# Altium PCB STB_LightBoard.PcbDoc (part 18 of 31) (continued)
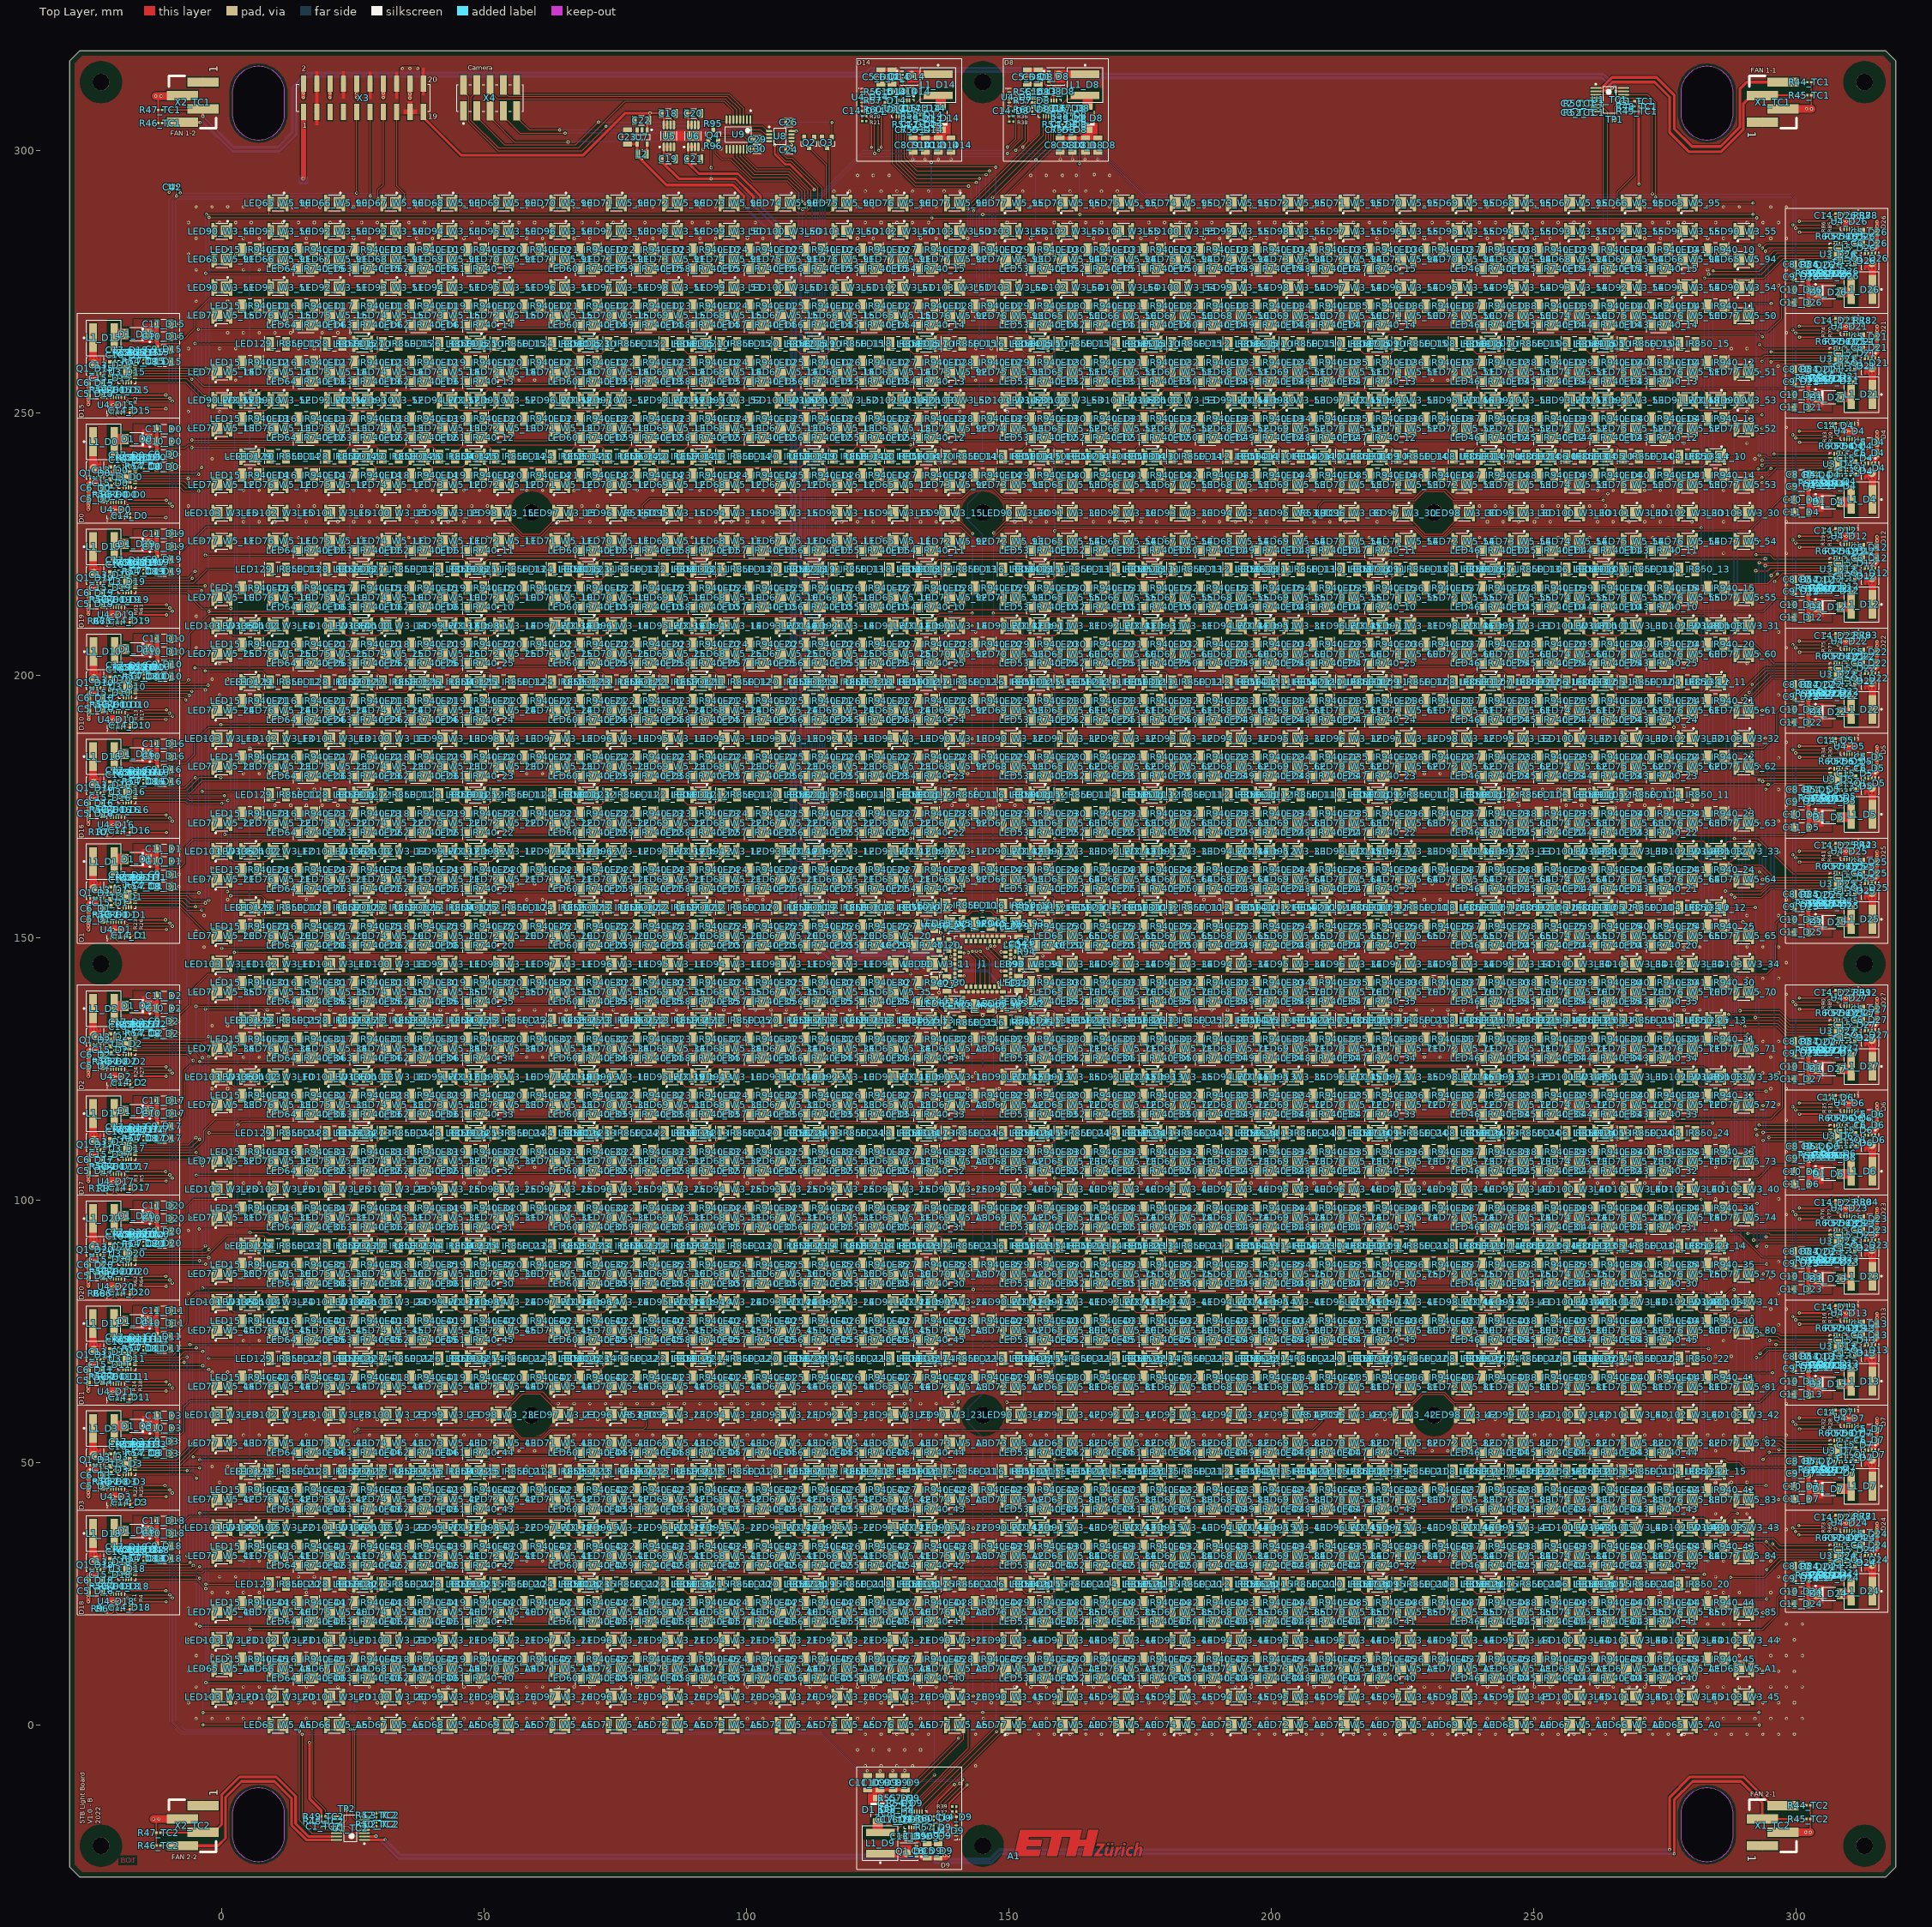
[diagram p0: Top Layer view]
## Nets (pads, with @x,y where several pads share a name; then routed paths per layer and width w, separated by ;. In a path a pad name is that pad's centre, name@x,y a point inside that pad or via, vN(x,y) a via of type N, cw(c..) or ccw(c..) an arc to the next point about the centre after c; other vN are vias at no path point) (continued)
  Top Layer w0.2: LED15_IR940_41.1@6.87,66.246 7.404,66.78 14.077,66.78 LED16_IR940_41.2@14.611,66.246
NetLED15_IR940_42_1: LED15_IR940_42.1 LED16_IR940_42.2 | length 8.2
  Top Layer w0.2: LED15_IR940_42.1@6.87,44.764 7.404,45.298 14.077,45.298 LED16_IR940_42.2@14.611,44.764
NetLED15_IR940_43_1: LED15_IR940_43.1 LED16_IR940_43.2 | length 8.2
  Top Layer w0.2: LED15_IR940_43.1@6.87,34.023 7.404,34.557 14.077,34.557 LED16_IR940_43.2@14.611,34.023
NetLED15_IR940_44_1: LED15_IR940_44.1 LED16_IR940_44.2 | length 8.2
  Top Layer w0.2: LED15_IR940_44.1@6.87,23.282 7.404,23.816 14.077,23.816 LED16_IR940_44.2@14.611,23.282
NetLED15_IR940_45_1: LED15_IR940_45.1 LED16_IR940_45.2 | length 8.2
  Top Layer w0.2: LED15_IR940_45.1@6.87,12.541 7.404,13.075 14.077,13.075 LED16_IR940_45.2@14.611,12.541
NetLED16_IR940_10_1: LED16_IR940_10.1 LED17_IR940_10.2 | length 8.2
  Top Layer w0.2: LED16_IR940_10.1@17.611,281.066 18.145,281.6 24.818,281.6 LED17_IR940_10.2@25.352,281.066
NetLED16_IR940_11_1: LED16_IR940_11.1 LED17_IR940_11.2 | length 8.2
  Top Layer w0.2: LED16_IR940_11.1@17.611,270.325 18.145,270.859 24.818,270.859 LED17_IR940_11.2@25.352,270.325
NetLED16_IR940_12_1: LED16_IR940_12.1 LED17_IR940_12.2 | length 8.2
  Top Layer w0.2: LED16_IR940_12.1@17.611,259.584 18.145,260.118 24.818,260.118 LED17_IR940_12.2@25.352,259.584
NetLED16_IR940_13_1: LED16_IR940_13.1 LED17_IR940_13.2 | length 8.2
  Top Layer w0.2: LED16_IR940_13.1@17.611,248.843 18.145,249.377 24.818,249.377 LED17_IR940_13.2@25.352,248.843
NetLED16_IR940_14_1: LED16_IR940_14.1 LED17_IR940_14.2 | length 8.2
  Top Layer w0.2: LED16_IR940_14.1@17.611,238.102 18.145,238.636 24.818,238.636 LED17_IR940_14.2@25.352,238.102
NetLED16_IR940_15_1: LED16_IR940_15.1 LED17_IR940_15.2 | length 8.2
  Top Layer w0.2: LED16_IR940_15.1@17.611,216.62 18.145,217.154 24.818,217.154 LED17_IR940_15.2@25.352,216.62
NetLED16_IR940_20_1: LED16_IR940_20.1 LED17_IR940_20.2 | length 8.2
  Top Layer w0.2: LED16_IR940_20.1@17.611,205.879 18.145,206.413 24.818,206.413 LED17_IR940_20.2@25.352,205.879
NetLED16_IR940_21_1: LED16_IR940_21.1 LED17_IR940_21.2 | length 8.2
  Top Layer w0.2: LED16_IR940_21.1@17.611,195.138 18.145,195.672 24.818,195.672 LED17_IR940_21.2@25.352,195.138
NetLED16_IR940_22_1: LED16_IR940_22.1 LED17_IR940_22.2 | length 8.2
  Top Layer w0.2: LED16_IR940_22.1@17.611,184.397 18.145,184.931 24.818,184.931 LED17_IR940_22.2@25.352,184.397
NetLED16_IR940_23_1: LED16_IR940_23.1 LED17_IR940_23.2 | length 8.2
  Top Layer w0.2: LED16_IR940_23.1@17.611,173.656 18.145,174.19 24.818,174.19 LED17_IR940_23.2@25.352,173.656
NetLED16_IR940_24_1: LED16_IR940_24.1 LED17_IR940_24.2 | length 8.2
  Top Layer w0.2: LED16_IR940_24.1@17.611,162.915 18.145,163.449 24.818,163.449 LED17_IR940_24.2@25.352,162.915
NetLED16_IR940_25_1: LED16_IR940_25.1 LED17_IR940_25.2 | length 8.2
  Top Layer w0.2: LED16_IR940_25.1@17.611,152.174 18.145,152.708 24.818,152.708 LED17_IR940_25.2@25.352,152.174
NetLED16_IR940_30_1: LED16_IR940_30.1 LED17_IR940_30.2 | length 8.2
  Top Layer w0.2: LED16_IR940_30.1@17.611,141.433 18.145,141.967 24.818,141.967 LED17_IR940_30.2@25.352,141.433
NetLED16_IR940_31_1: LED16_IR940_31.1 LED17_IR940_31.2 | length 8.2
  Top Layer w0.2: LED16_IR940_31.1@17.611,130.692 18.145,131.226 24.818,131.226 LED17_IR940_31.2@25.352,130.692
NetLED16_IR940_32_1: LED16_IR940_32.1 LED17_IR940_32.2 | length 8.2
  Top Layer w0.2: LED16_IR940_32.1@17.611,119.951 18.145,120.485 24.818,120.485 LED17_IR940_32.2@25.352,119.951
NetLED16_IR940_33_1: LED16_IR940_33.1 LED17_IR940_33.2 | length 8.2
  Top Layer w0.2: LED16_IR940_33.1@17.611,109.21 18.145,109.744 24.818,109.744 LED17_IR940_33.2@25.352,109.21
NetLED16_IR940_34_1: LED16_IR940_34.1 LED17_IR940_34.2 | length 8.2
  Top Layer w0.2: LED16_IR940_34.1@17.611,98.469 18.145,99.003 24.818,99.003 LED17_IR940_34.2@25.352,98.469
NetLED16_IR940_35_1: LED16_IR940_35.1 LED17_IR940_35.2 | length 8.2
  Top Layer w0.2: LED16_IR940_35.1@17.611,87.728 18.145,88.262 24.818,88.262 LED17_IR940_35.2@25.352,87.728
NetLED16_IR940_40_1: LED16_IR940_40.1 LED17_IR940_40.2 | length 8.2
  Top Layer w0.2: LED16_IR940_40.1@17.611,76.987 18.145,77.521 24.818,77.521 LED17_IR940_40.2@25.352,76.987
NetLED16_IR940_41_1: LED16_IR940_41.1 LED17_IR940_41.2 | length 8.2
  Top Layer w0.2: LED16_IR940_41.1@17.611,66.246 18.145,66.78 24.818,66.78 LED17_IR940_41.2@25.352,66.246
NetLED16_IR940_42_1: LED16_IR940_42.1 LED17_IR940_42.2 | length 8.2
  Top Layer w0.2: LED16_IR940_42.1@17.611,44.764 18.145,45.298 24.818,45.298 LED17_IR940_42.2@25.352,44.764
NetLED16_IR940_43_1: LED16_IR940_43.1 LED17_IR940_43.2 | length 8.2
  Top Layer w0.2: LED16_IR940_43.1@17.611,34.023 18.145,34.557 24.818,34.557 LED17_IR940_43.2@25.352,34.023
NetLED16_IR940_44_1: LED16_IR940_44.1 LED17_IR940_44.2 | length 8.2
  Top Layer w0.2: LED16_IR940_44.1@17.611,23.282 18.145,23.816 24.818,23.816 LED17_IR940_44.2@25.352,23.282
NetLED16_IR940_45_1: LED16_IR940_45.1 LED17_IR940_45.2 | length 8.2
  Top Layer w0.2: LED16_IR940_45.1@17.611,12.541 18.145,13.075 24.818,13.075 LED17_IR940_45.2@25.352,12.541
NetLED17_IR940_10_1: LED17_IR940_10.1 LED18_IR940_10.2 | length 8.2
  Top Layer w0.2: LED17_IR940_10.1@28.352,281.066 28.886,281.6 35.559,281.6 LED18_IR940_10.2@36.093,281.066
NetLED17_IR940_11_1: LED17_IR940_11.1 LED18_IR940_11.2 | length 8.2
  Top Layer w0.2: LED17_IR940_11.1@28.352,270.325 28.886,270.859 35.559,270.859 LED18_IR940_11.2@36.093,270.325
NetLED17_IR940_12_1: LED17_IR940_12.1 LED18_IR940_12.2 | length 8.2
  Top Layer w0.2: LED17_IR940_12.1@28.352,259.584 28.886,260.118 35.559,260.118 LED18_IR940_12.2@36.093,259.584
NetLED17_IR940_13_1: LED17_IR940_13.1 LED18_IR940_13.2 | length 8.2
  Top Layer w0.2: LED17_IR940_13.1@28.352,248.843 28.886,249.377 35.559,249.377 LED18_IR940_13.2@36.093,248.843
NetLED17_IR940_14_1: LED17_IR940_14.1 LED18_IR940_14.2 | length 8.2
  Top Layer w0.2: LED17_IR940_14.1@28.352,238.102 28.886,238.636 35.559,238.636 LED18_IR940_14.2@36.093,238.102
NetLED17_IR940_15_1: LED17_IR940_15.1 LED18_IR940_15.2 | length 8.2
  Top Layer w0.2: LED17_IR940_15.1@28.352,216.62 28.886,217.154 35.559,217.154 LED18_IR940_15.2@36.093,216.62
NetLED17_IR940_20_1: LED17_IR940_20.1 LED18_IR940_20.2 | length 8.2
  Top Layer w0.2: LED17_IR940_20.1@28.352,205.879 28.886,206.413 35.559,206.413 LED18_IR940_20.2@36.093,205.879
NetLED17_IR940_21_1: LED17_IR940_21.1 LED18_IR940_21.2 | length 8.2
  Top Layer w0.2: LED17_IR940_21.1@28.352,195.138 28.886,195.672 35.559,195.672 LED18_IR940_21.2@36.093,195.138
NetLED17_IR940_22_1: LED17_IR940_22.1 LED18_IR940_22.2 | length 8.2
  Top Layer w0.2: LED17_IR940_22.1@28.352,184.397 28.886,184.931 35.559,184.931 LED18_IR940_22.2@36.093,184.397
NetLED17_IR940_23_1: LED17_IR940_23.1 LED18_IR940_23.2 | length 8.2
  Top Layer w0.2: LED17_IR940_23.1@28.352,173.656 28.886,174.19 35.559,174.19 LED18_IR940_23.2@36.093,173.656
NetLED17_IR940_24_1: LED17_IR940_24.1 LED18_IR940_24.2 | length 8.2
  Top Layer w0.2: LED17_IR940_24.1@28.352,162.915 28.886,163.449 35.559,163.449 LED18_IR940_24.2@36.093,162.915
NetLED17_IR940_25_1: LED17_IR940_25.1 LED18_IR940_25.2 | length 8.2
  Top Layer w0.2: LED17_IR940_25.1@28.352,152.174 28.886,152.708 35.559,152.708 LED18_IR940_25.2@36.093,152.174
NetLED17_IR940_30_1: LED17_IR940_30.1 LED18_IR940_30.2 | length 8.2
  Top Layer w0.2: LED17_IR940_30.1@28.352,141.433 28.886,141.967 35.559,141.967 LED18_IR940_30.2@36.093,141.433
NetLED17_IR940_31_1: LED17_IR940_31.1 LED18_IR940_31.2 | length 8.2
  Top Layer w0.2: LED17_IR940_31.1@28.352,130.692 28.886,131.226 35.559,131.226 LED18_IR940_31.2@36.093,130.692
NetLED17_IR940_32_1: LED17_IR940_32.1 LED18_IR940_32.2 | length 8.2
  Top Layer w0.2: LED17_IR940_32.1@28.352,119.951 28.886,120.485 35.559,120.485 LED18_IR940_32.2@36.093,119.951
NetLED17_IR940_33_1: LED17_IR940_33.1 LED18_IR940_33.2 | length 8.2
  Top Layer w0.2: LED17_IR940_33.1@28.352,109.21 28.886,109.744 35.559,109.744 LED18_IR940_33.2@36.093,109.21
NetLED17_IR940_34_1: LED17_IR940_34.1 LED18_IR940_34.2 | length 8.2
  Top Layer w0.2: LED17_IR940_34.1@28.352,98.469 28.886,99.003 35.559,99.003 LED18_IR940_34.2@36.093,98.469
NetLED17_IR940_35_1: LED17_IR940_35.1 LED18_IR940_35.2 | length 8.2
  Top Layer w0.2: LED17_IR940_35.1@28.352,87.728 28.886,88.262 35.559,88.262 LED18_IR940_35.2@36.093,87.728
NetLED17_IR940_40_1: LED17_IR940_40.1 LED18_IR940_40.2 | length 8.2
  Top Layer w0.2: LED17_IR940_40.1@28.352,76.987 28.886,77.521 35.559,77.521 LED18_IR940_40.2@36.093,76.987
NetLED17_IR940_41_1: LED17_IR940_41.1 LED18_IR940_41.2 | length 8.2
  Top Layer w0.2: LED17_IR940_41.1@28.352,66.246 28.886,66.78 35.559,66.78 LED18_IR940_41.2@36.093,66.246
NetLED17_IR940_42_1: LED17_IR940_42.1 LED18_IR940_42.2 | length 8.2
  Top Layer w0.2: LED17_IR940_42.1@28.352,44.764 28.886,45.298 35.559,45.298 LED18_IR940_42.2@36.093,44.764
NetLED17_IR940_43_1: LED17_IR940_43.1 LED18_IR940_43.2 | length 8.2
  Top Layer w0.2: LED17_IR940_43.1@28.352,34.023 28.886,34.557 35.559,34.557 LED18_IR940_43.2@36.093,34.023
NetLED17_IR940_44_1: LED17_IR940_44.1 LED18_IR940_44.2 | length 8.2
  Top Layer w0.2: LED17_IR940_44.1@28.352,23.282 28.886,23.816 35.559,23.816 LED18_IR940_44.2@36.093,23.282
NetLED17_IR940_45_1: LED17_IR940_45.1 LED18_IR940_45.2 | length 8.2
  Top Layer w0.2: LED17_IR940_45.1@28.352,12.541 28.886,13.075 35.559,13.075 LED18_IR940_45.2@36.093,12.541
NetLED18_IR940_10_1: LED18_IR940_10.1 LED19_IR940_10.2 | length 8.2
  Top Layer w0.2: LED18_IR940_10.1@39.093,281.066 39.627,281.6 46.3,281.6 LED19_IR940_10.2@46.834,281.066
NetLED18_IR940_11_1: LED18_IR940_11.1 LED19_IR940_11.2 | length 8.2
  Top Layer w0.2: LED18_IR940_11.1@39.093,270.325 39.627,270.859 46.3,270.859 LED19_IR940_11.2@46.834,270.325
NetLED18_IR940_12_1: LED18_IR940_12.1 LED19_IR940_12.2 | length 8.2
  Top Layer w0.2: LED18_IR940_12.1@39.093,259.584 39.627,260.118 46.3,260.118 LED19_IR940_12.2@46.834,259.584
NetLED18_IR940_13_1: LED18_IR940_13.1 LED19_IR940_13.2 | length 8.2
  Top Layer w0.2: LED18_IR940_13.1@39.093,248.843 39.627,249.377 46.3,249.377 LED19_IR940_13.2@46.834,248.843
NetLED18_IR940_14_1: LED18_IR940_14.1 LED19_IR940_14.2 | length 8.2
  Top Layer w0.2: LED18_IR940_14.1@39.093,238.102 39.627,238.636 46.3,238.636 LED19_IR940_14.2@46.834,238.102
NetLED18_IR940_15_1: LED18_IR940_15.1 LED19_IR940_15.2 | length 8.2
  Top Layer w0.2: LED18_IR940_15.1@39.093,216.62 39.627,217.154 46.3,217.154 LED19_IR940_15.2@46.834,216.62
NetLED18_IR940_20_1: LED18_IR940_20.1 LED19_IR940_20.2 | length 8.2
  Top Layer w0.2: LED18_IR940_20.1@39.093,205.879 39.627,206.413 46.3,206.413 LED19_IR940_20.2@46.834,205.879
NetLED18_IR940_21_1: LED18_IR940_21.1 LED19_IR940_21.2 | length 8.2
  Top Layer w0.2: LED18_IR940_21.1@39.093,195.138 39.627,195.672 46.3,195.672 LED19_IR940_21.2@46.834,195.138
NetLED18_IR940_22_1: LED18_IR940_22.1 LED19_IR940_22.2 | length 8.2
  Top Layer w0.2: LED18_IR940_22.1@39.093,184.397 39.627,184.931 46.3,184.931 LED19_IR940_22.2@46.834,184.397
NetLED18_IR940_23_1: LED18_IR940_23.1 LED19_IR940_23.2 | length 8.2
  Top Layer w0.2: LED18_IR940_23.1@39.093,173.656 39.627,174.19 46.3,174.19 LED19_IR940_23.2@46.834,173.656
NetLED18_IR940_24_1: LED18_IR940_24.1 LED19_IR940_24.2 | length 8.2
  Top Layer w0.2: LED18_IR940_24.1@39.093,162.915 39.627,163.449 46.3,163.449 LED19_IR940_24.2@46.834,162.915
NetLED18_IR940_25_1: LED18_IR940_25.1 LED19_IR940_25.2 | length 8.2
  Top Layer w0.2: LED18_IR940_25.1@39.093,152.174 39.627,152.708 46.3,152.708 LED19_IR940_25.2@46.834,152.174
NetLED18_IR940_30_1: LED18_IR940_30.1 LED19_IR940_30.2 | length 8.2
  Top Layer w0.2: LED18_IR940_30.1@39.093,141.433 39.627,141.967 46.3,141.967 LED19_IR940_30.2@46.834,141.433
NetLED18_IR940_31_1: LED18_IR940_31.1 LED19_IR940_31.2 | length 8.2
  Top Layer w0.2: LED18_IR940_31.1@39.093,130.692 39.627,131.226 46.3,131.226 LED19_IR940_31.2@46.834,130.692
NetLED18_IR940_32_1: LED18_IR940_32.1 LED19_IR940_32.2 | length 8.2
  Top Layer w0.2: LED18_IR940_32.1@39.093,119.951 39.627,120.485 46.3,120.485 LED19_IR940_32.2@46.834,119.951
NetLED18_IR940_33_1: LED18_IR940_33.1 LED19_IR940_33.2 | length 8.2
  Top Layer w0.2: LED18_IR940_33.1@39.093,109.21 39.627,109.744 46.3,109.744 LED19_IR940_33.2@46.834,109.21
NetLED18_IR940_34_1: LED18_IR940_34.1 LED19_IR940_34.2 | length 8.2
  Top Layer w0.2: LED18_IR940_34.1@39.093,98.469 39.627,99.003 46.3,99.003 LED19_IR940_34.2@46.834,98.469
NetLED18_IR940_35_1: LED18_IR940_35.1 LED19_IR940_35.2 | length 8.2
  Top Layer w0.2: LED18_IR940_35.1@39.093,87.728 39.627,88.262 46.3,88.262 LED19_IR940_35.2@46.834,87.728
NetLED18_IR940_40_1: LED18_IR940_40.1 LED19_IR940_40.2 | length 8.2
  Top Layer w0.2: LED18_IR940_40.1@39.093,76.987 39.627,77.521 46.3,77.521 LED19_IR940_40.2@46.834,76.987
NetLED18_IR940_41_1: LED18_IR940_41.1 LED19_IR940_41.2 | length 8.2
  Top Layer w0.2: LED18_IR940_41.1@39.093,66.246 39.627,66.78 46.3,66.78 LED19_IR940_41.2@46.834,66.246
NetLED18_IR940_42_1: LED18_IR940_42.1 LED19_IR940_42.2 | length 8.2
  Top Layer w0.2: LED18_IR940_42.1@39.093,44.764 39.627,45.298 46.3,45.298 LED19_IR940_42.2@46.834,44.764
NetLED18_IR940_43_1: LED18_IR940_43.1 LED19_IR940_43.2 | length 8.2
  Top Layer w0.2: LED18_IR940_43.1@39.093,34.023 39.627,34.557 46.3,34.557 LED19_IR940_43.2@46.834,34.023
NetLED18_IR940_44_1: LED18_IR940_44.1 LED19_IR940_44.2 | length 8.2
  Top Layer w0.2: LED18_IR940_44.1@39.093,23.282 39.627,23.816 46.3,23.816 LED19_IR940_44.2@46.834,23.282
NetLED18_IR940_45_1: LED18_IR940_45.1 LED19_IR940_45.2 | length 8.2
  Top Layer w0.2: LED18_IR940_45.1@39.093,12.541 39.627,13.075 46.3,13.075 LED19_IR940_45.2@46.834,12.541
NetLED19_IR940_10_1: LED19_IR940_10.1 LED20_IR940_10.2 | length 8.2
  Top Layer w0.2: LED19_IR940_10.1@49.834,281.066 50.368,281.6 57.041,281.6 LED20_IR940_10.2@57.575,281.066
NetLED19_IR940_11_1: LED19_IR940_11.1 LED20_IR940_11.2 | length 8.2
  Top Layer w0.2: LED19_IR940_11.1@49.834,270.325 50.368,270.859 57.041,270.859 LED20_IR940_11.2@57.575,270.325
NetLED19_IR940_12_1: LED19_IR940_12.1 LED20_IR940_12.2 | length 8.2
  Top Layer w0.2: LED19_IR940_12.1@49.834,259.584 50.368,260.118 57.041,260.118 LED20_IR940_12.2@57.575,259.584
NetLED19_IR940_13_1: LED19_IR940_13.1 LED20_IR940_13.2 | length 8.2
  Top Layer w0.2: LED19_IR940_13.1@49.834,248.843 50.368,249.377 57.041,249.377 LED20_IR940_13.2@57.575,248.843
NetLED19_IR940_14_1: LED19_IR940_14.1 LED20_IR940_14.2 | length 8.2
  Top Layer w0.2: LED19_IR940_14.1@49.834,238.102 50.368,238.636 57.041,238.636 LED20_IR940_14.2@57.575,238.102
NetLED19_IR940_15_1: LED19_IR940_15.1 LED20_IR940_15.2 | length 8.2
  Top Layer w0.2: LED19_IR940_15.1@49.834,216.62 50.368,217.154 57.041,217.154 LED20_IR940_15.2@57.575,216.62
NetLED19_IR940_20_1: LED19_IR940_20.1 LED20_IR940_20.2 | length 8.2
  Top Layer w0.2: LED19_IR940_20.1@49.834,205.879 50.368,206.413 57.041,206.413 LED20_IR940_20.2@57.575,205.879
NetLED19_IR940_21_1: LED19_IR940_21.1 LED20_IR940_21.2 | length 8.2
  Top Layer w0.2: LED19_IR940_21.1@49.834,195.138 50.368,195.672 57.041,195.672 LED20_IR940_21.2@57.575,195.138
NetLED19_IR940_22_1: LED19_IR940_22.1 LED20_IR940_22.2 | length 8.2
  Top Layer w0.2: LED19_IR940_22.1@49.834,184.397 50.368,184.931 57.041,184.931 LED20_IR940_22.2@57.575,184.397
NetLED19_IR940_23_1: LED19_IR940_23.1 LED20_IR940_23.2 | length 8.2
  Top Layer w0.2: LED19_IR940_23.1@49.834,173.656 50.368,174.19 57.041,174.19 LED20_IR940_23.2@57.575,173.656
NetLED19_IR940_24_1: LED19_IR940_24.1 LED20_IR940_24.2 | length 8.2
  Top Layer w0.2: LED19_IR940_24.1@49.834,162.915 50.368,163.449 57.041,163.449 LED20_IR940_24.2@57.575,162.915
NetLED19_IR940_25_1: LED19_IR940_25.1 LED20_IR940_25.2 | length 8.2
  Top Layer w0.2: LED19_IR940_25.1@49.834,152.174 50.368,152.708 57.041,152.708 LED20_IR940_25.2@57.575,152.174
NetLED19_IR940_30_1: LED19_IR940_30.1 LED20_IR940_30.2 | length 8.2
  Top Layer w0.2: LED19_IR940_30.1@49.834,141.433 50.368,141.967 57.041,141.967 LED20_IR940_30.2@57.575,141.433
NetLED19_IR940_31_1: LED19_IR940_31.1 LED20_IR940_31.2 | length 8.2
  Top Layer w0.2: LED19_IR940_31.1@49.834,130.692 50.368,131.226 57.041,131.226 LED20_IR940_31.2@57.575,130.692
NetLED19_IR940_32_1: LED19_IR940_32.1 LED20_IR940_32.2 | length 8.2
  Top Layer w0.2: LED19_IR940_32.1@49.834,119.951 50.368,120.485 57.041,120.485 LED20_IR940_32.2@57.575,119.951
NetLED19_IR940_33_1: LED19_IR940_33.1 LED20_IR940_33.2 | length 8.2
  Top Layer w0.2: LED19_IR940_33.1@49.834,109.21 50.368,109.744 57.041,109.744 LED20_IR940_33.2@57.575,109.21
NetLED19_IR940_34_1: LED19_IR940_34.1 LED20_IR940_34.2 | length 8.2
  Top Layer w0.2: LED19_IR940_34.1@49.834,98.469 50.368,99.003 57.041,99.003 LED20_IR940_34.2@57.575,98.469
NetLED19_IR940_35_1: LED19_IR940_35.1 LED20_IR940_35.2 | length 8.2
  Top Layer w0.2: LED19_IR940_35.1@49.834,87.728 50.368,88.262 57.041,88.262 LED20_IR940_35.2@57.575,87.728
NetLED19_IR940_40_1: LED19_IR940_40.1 LED20_IR940_40.2 | length 8.2
  Top Layer w0.2: LED19_IR940_40.1@49.834,76.987 50.368,77.521 57.041,77.521 LED20_IR940_40.2@57.575,76.987
NetLED19_IR940_41_1: LED19_IR940_41.1 LED20_IR940_41.2 | length 8.2
  Top Layer w0.2: LED19_IR940_41.1@49.834,66.246 50.368,66.78 57.041,66.78 LED20_IR940_41.2@57.575,66.246
NetLED19_IR940_42_1: LED19_IR940_42.1 LED20_IR940_42.2 | length 8.2
  Top Layer w0.2: LED19_IR940_42.1@49.834,44.764 50.368,45.298 57.041,45.298 LED20_IR940_42.2@57.575,44.764
NetLED19_IR940_43_1: LED19_IR940_43.1 LED20_IR940_43.2 | length 8.2
  Top Layer w0.2: LED19_IR940_43.1@49.834,34.023 50.368,34.557 57.041,34.557 LED20_IR940_43.2@57.575,34.023
NetLED19_IR940_44_1: LED19_IR940_44.1 LED20_IR940_44.2 | length 8.2
  Top Layer w0.2: LED19_IR940_44.1@49.834,23.282 50.368,23.816 57.041,23.816 LED20_IR940_44.2@57.575,23.282
NetLED19_IR940_45_1: LED19_IR940_45.1 LED20_IR940_45.2 | length 8.2
  Top Layer w0.2: LED19_IR940_45.1@49.834,12.541 50.368,13.075 57.041,13.075 LED20_IR940_45.2@57.575,12.541
NetLED20_IR940_10_1: LED20_IR940_10.1 LED21_IR940_10.2 | length 8.2
  Top Layer w0.2: LED20_IR940_10.1@60.575,281.066 61.109,281.6 67.782,281.6 LED21_IR940_10.2@68.316,281.066
NetLED20_IR940_11_1: LED20_IR940_11.1 LED21_IR940_11.2 | length 8.2
  Top Layer w0.2: LED20_IR940_11.1@60.575,270.325 61.109,270.859 67.782,270.859 LED21_IR940_11.2@68.316,270.325
NetLED20_IR940_12_1: LED20_IR940_12.1 LED21_IR940_12.2 | length 8.2
  Top Layer w0.2: LED20_IR940_12.1@60.575,259.584 61.109,260.118 67.782,260.118 LED21_IR940_12.2@68.316,259.584
NetLED20_IR940_13_1: LED20_IR940_13.1 LED21_IR940_13.2 | length 8.2
  Top Layer w0.2: LED20_IR940_13.1@60.575,248.843 61.109,249.377 67.782,249.377 LED21_IR940_13.2@68.316,248.843
NetLED20_IR940_14_1: LED20_IR940_14.1 LED21_IR940_14.2 | length 8.2
  Top Layer w0.2: LED20_IR940_14.1@60.575,238.102 61.109,238.636 67.782,238.636 LED21_IR940_14.2@68.316,238.102
NetLED20_IR940_15_1: LED20_IR940_15.1 LED21_IR940_15.2 | length 8.2
  Top Layer w0.2: LED20_IR940_15.1@60.575,216.62 61.109,217.154 67.782,217.154 LED21_IR940_15.2@68.316,216.62
NetLED20_IR940_20_1: LED20_IR940_20.1 LED21_IR940_20.2 | length 8.2
  Top Layer w0.2: LED20_IR940_20.1@60.575,205.879 61.109,206.413 67.782,206.413 LED21_IR940_20.2@68.316,205.879
NetLED20_IR940_21_1: LED20_IR940_21.1 LED21_IR940_21.2 | length 8.2
  Top Layer w0.2: LED20_IR940_21.1@60.575,195.138 61.109,195.672 67.782,195.672 LED21_IR940_21.2@68.316,195.138
NetLED20_IR940_22_1: LED20_IR940_22.1 LED21_IR940_22.2 | length 8.2
  Top Layer w0.2: LED20_IR940_22.1@60.575,184.397 61.109,184.931 67.782,184.931 LED21_IR940_22.2@68.316,184.397
NetLED20_IR940_23_1: LED20_IR940_23.1 LED21_IR940_23.2 | length 8.2
  Top Layer w0.2: LED20_IR940_23.1@60.575,173.656 61.109,174.19 67.782,174.19 LED21_IR940_23.2@68.316,173.656
NetLED20_IR940_24_1: LED20_IR940_24.1 LED21_IR940_24.2 | length 8.2
  Top Layer w0.2: LED20_IR940_24.1@60.575,162.915 61.109,163.449 67.782,163.449 LED21_IR940_24.2@68.316,162.915
NetLED20_IR940_25_1: LED20_IR940_25.1 LED21_IR940_25.2 | length 8.2
  Top Layer w0.2: LED20_IR940_25.1@60.575,152.174 61.109,152.708 67.782,152.708 LED21_IR940_25.2@68.316,152.174
NetLED20_IR940_30_1: LED20_IR940_30.1 LED21_IR940_30.2 | length 8.2
  Top Layer w0.2: LED20_IR940_30.1@60.575,141.433 61.109,141.967 67.782,141.967 LED21_IR940_30.2@68.316,141.433
NetLED20_IR940_31_1: LED20_IR940_31.1 LED21_IR940_31.2 | length 8.2
  Top Layer w0.2: LED20_IR940_31.1@60.575,130.692 61.109,131.226 67.782,131.226 LED21_IR940_31.2@68.316,130.692
NetLED20_IR940_32_1: LED20_IR940_32.1 LED21_IR940_32.2 | length 8.2
  Top Layer w0.2: LED20_IR940_32.1@60.575,119.951 61.109,120.485 67.782,120.485 LED21_IR940_32.2@68.316,119.951
NetLED20_IR940_33_1: LED20_IR940_33.1 LED21_IR940_33.2 | length 8.2
  Top Layer w0.2: LED20_IR940_33.1@60.575,109.21 61.109,109.744 67.782,109.744 LED21_IR940_33.2@68.316,109.21
NetLED20_IR940_34_1: LED20_IR940_34.1 LED21_IR940_34.2 | length 8.2
  Top Layer w0.2: LED20_IR940_34.1@60.575,98.469 61.109,99.003 67.782,99.003 LED21_IR940_34.2@68.316,98.469
NetLED20_IR940_35_1: LED20_IR940_35.1 LED21_IR940_35.2 | length 8.2
  Top Layer w0.2: LED20_IR940_35.1@60.575,87.728 61.109,88.262 67.782,88.262 LED21_IR940_35.2@68.316,87.728
NetLED20_IR940_40_1: LED20_IR940_40.1 LED21_IR940_40.2 | length 8.2
  Top Layer w0.2: LED20_IR940_40.1@60.575,76.987 61.109,77.521 67.782,77.521 LED21_IR940_40.2@68.316,76.987
NetLED20_IR940_41_1: LED20_IR940_41.1 LED21_IR940_41.2 | length 8.2
  Top Layer w0.2: LED20_IR940_41.1@60.575,66.246 61.109,66.78 67.782,66.78 LED21_IR940_41.2@68.316,66.246
NetLED20_IR940_42_1: LED20_IR940_42.1 LED21_IR940_42.2 | length 8.2
  Top Layer w0.2: LED20_IR940_42.1@60.575,44.764 61.109,45.298 67.782,45.298 LED21_IR940_42.2@68.316,44.764
NetLED20_IR940_43_1: LED20_IR940_43.1 LED21_IR940_43.2 | length 8.2
  Top Layer w0.2: LED20_IR940_43.1@60.575,34.023 61.109,34.557 67.782,34.557 LED21_IR940_43.2@68.316,34.023
NetLED20_IR940_44_1: LED20_IR940_44.1 LED21_IR940_44.2 | length 8.2
  Top Layer w0.2: LED20_IR940_44.1@60.575,23.282 61.109,23.816 67.782,23.816 LED21_IR940_44.2@68.316,23.282
NetLED20_IR940_45_1: LED20_IR940_45.1 LED21_IR940_45.2 | length 8.2
  Top Layer w0.2: LED20_IR940_45.1@60.575,12.541 61.109,13.075 67.782,13.075 LED21_IR940_45.2@68.316,12.541
NetLED21_IR940_10_1: LED21_IR940_10.1 LED22_IR940_10.2 | length 8.2
  Top Layer w0.2: LED21_IR940_10.1@71.316,281.066 71.85,281.6 78.523,281.6 LED22_IR940_10.2@79.057,281.066
NetLED21_IR940_11_1: LED21_IR940_11.1 LED22_IR940_11.2 | length 8.2
  Top Layer w0.2: LED21_IR940_11.1@71.316,270.325 71.85,270.859 78.523,270.859 LED22_IR940_11.2@79.057,270.325
NetLED21_IR940_12_1: LED21_IR940_12.1 LED22_IR940_12.2 | length 8.2
  Top Layer w0.2: LED21_IR940_12.1@71.316,259.584 71.85,260.118 78.523,260.118 LED22_IR940_12.2@79.057,259.584
NetLED21_IR940_13_1: LED21_IR940_13.1 LED22_IR940_13.2 | length 8.2
  Top Layer w0.2: LED21_IR940_13.1@71.316,248.843 71.85,249.377 78.523,249.377 LED22_IR940_13.2@79.057,248.843
NetLED21_IR940_14_1: LED21_IR940_14.1 LED22_IR940_14.2 | length 8.2
  Top Layer w0.2: LED21_IR940_14.1@71.316,238.102 71.85,238.636 78.523,238.636 LED22_IR940_14.2@79.057,238.102
NetLED21_IR940_15_1: LED21_IR940_15.1 LED22_IR940_15.2 | length 8.2
  Top Layer w0.2: LED21_IR940_15.1@71.316,216.62 71.85,217.154 78.523,217.154 LED22_IR940_15.2@79.057,216.62
NetLED21_IR940_20_1: LED21_IR940_20.1 LED22_IR940_20.2 | length 8.2
  Top Layer w0.2: LED21_IR940_20.1@71.316,205.879 71.85,206.413 78.523,206.413 LED22_IR940_20.2@79.057,205.879
NetLED21_IR940_21_1: LED21_IR940_21.1 LED22_IR940_21.2 | length 8.2
  Top Layer w0.2: LED21_IR940_21.1@71.316,195.138 71.85,195.672 78.523,195.672 LED22_IR940_21.2@79.057,195.138
NetLED21_IR940_22_1: LED21_IR940_22.1 LED22_IR940_22.2 | length 8.2
  Top Layer w0.2: LED21_IR940_22.1@71.316,184.397 71.85,184.931 78.523,184.931 LED22_IR940_22.2@79.057,184.397
NetLED21_IR940_23_1: LED21_IR940_23.1 LED22_IR940_23.2 | length 8.2
  Top Layer w0.2: LED21_IR940_23.1@71.316,173.656 71.85,174.19 78.523,174.19 LED22_IR940_23.2@79.057,173.656
NetLED21_IR940_24_1: LED21_IR940_24.1 LED22_IR940_24.2 | length 8.2
  Top Layer w0.2: LED21_IR940_24.1@71.316,162.915 71.85,163.449 78.523,163.449 LED22_IR940_24.2@79.057,162.915
NetLED21_IR940_25_1: LED21_IR940_25.1 LED22_IR940_25.2 | length 8.2
  Top Layer w0.2: LED21_IR940_25.1@71.316,152.174 71.85,152.708 78.523,152.708 LED22_IR940_25.2@79.057,152.174
NetLED21_IR940_30_1: LED21_IR940_30.1 LED22_IR940_30.2 | length 8.2
  Top Layer w0.2: LED21_IR940_30.1@71.316,141.433 71.85,141.967 78.523,141.967 LED22_IR940_30.2@79.057,141.433
NetLED21_IR940_31_1: LED21_IR940_31.1 LED22_IR940_31.2 | length 8.2
  Top Layer w0.2: LED21_IR940_31.1@71.316,130.692 71.85,131.226 78.523,131.226 LED22_IR940_31.2@79.057,130.692
NetLED21_IR940_32_1: LED21_IR940_32.1 LED22_IR940_32.2 | length 8.2
  Top Layer w0.2: LED21_IR940_32.1@71.316,119.951 71.85,120.485 78.523,120.485 LED22_IR940_32.2@79.057,119.951
NetLED21_IR940_33_1: LED21_IR940_33.1 LED22_IR940_33.2 | length 8.2
  Top Layer w0.2: LED21_IR940_33.1@71.316,109.21 71.85,109.744 78.523,109.744 LED22_IR940_33.2@79.057,109.21
NetLED21_IR940_34_1: LED21_IR940_34.1 LED22_IR940_34.2 | length 8.2
  Top Layer w0.2: LED21_IR940_34.1@71.316,98.469 71.85,99.003 78.523,99.003 LED22_IR940_34.2@79.057,98.469
NetLED21_IR940_35_1: LED21_IR940_35.1 LED22_IR940_35.2 | length 8.2
  Top Layer w0.2: LED21_IR940_35.1@71.316,87.728 71.85,88.262 78.523,88.262 LED22_IR940_35.2@79.057,87.728
NetLED21_IR940_40_1: LED21_IR940_40.1 LED22_IR940_40.2 | length 8.2
  Top Layer w0.2: LED21_IR940_40.1@71.316,76.987 71.85,77.521 78.523,77.521 LED22_IR940_40.2@79.057,76.987
NetLED21_IR940_41_1: LED21_IR940_41.1 LED22_IR940_41.2 | length 8.2
  Top Layer w0.2: LED21_IR940_41.1@71.316,66.246 71.85,66.78 78.523,66.78 LED22_IR940_41.2@79.057,66.246
NetLED21_IR940_42_1: LED21_IR940_42.1 LED22_IR940_42.2 | length 8.2
  Top Layer w0.2: LED21_IR940_42.1@71.316,44.764 71.85,45.298 78.523,45.298 LED22_IR940_42.2@79.057,44.764
NetLED21_IR940_43_1: LED21_IR940_43.1 LED22_IR940_43.2 | length 8.2
  Top Layer w0.2: LED21_IR940_43.1@71.316,34.023 71.85,34.557 78.523,34.557 LED22_IR940_43.2@79.057,34.023
NetLED21_IR940_44_1: LED21_IR940_44.1 LED22_IR940_44.2 | length 8.2
  Top Layer w0.2: LED21_IR940_44.1@71.316,23.282 71.85,23.816 78.523,23.816 LED22_IR940_44.2@79.057,23.282
NetLED21_IR940_45_1: LED21_IR940_45.1 LED22_IR940_45.2 | length 8.2
  Top Layer w0.2: LED21_IR940_45.1@71.316,12.541 71.85,13.075 78.523,13.075 LED22_IR940_45.2@79.057,12.541
NetLED22_IR940_10_1: LED22_IR940_10.1 LED23_IR940_10.2 | length 8.2
  Top Layer w0.2: LED22_IR940_10.1@82.057,281.066 82.591,281.6 89.264,281.6 LED23_IR940_10.2@89.798,281.066
NetLED22_IR940_11_1: LED22_IR940_11.1 LED23_IR940_11.2 | length 8.2
  Top Layer w0.2: LED22_IR940_11.1@82.057,270.325 82.591,270.859 89.264,270.859 LED23_IR940_11.2@89.798,270.325
NetLED22_IR940_12_1: LED22_IR940_12.1 LED23_IR940_12.2 | length 8.2
  Top Layer w0.2: LED22_IR940_12.1@82.057,259.584 82.591,260.118 89.264,260.118 LED23_IR940_12.2@89.798,259.584
NetLED22_IR940_13_1: LED22_IR940_13.1 LED23_IR940_13.2 | length 8.2
  Top Layer w0.2: LED22_IR940_13.1@82.057,248.843 82.591,249.377 89.264,249.377 LED23_IR940_13.2@89.798,248.843
NetLED22_IR940_14_1: LED22_IR940_14.1 LED23_IR940_14.2 | length 8.2
  Top Layer w0.2: LED22_IR940_14.1@82.057,238.102 82.591,238.636 89.264,238.636 LED23_IR940_14.2@89.798,238.102
NetLED22_IR940_15_1: LED22_IR940_15.1 LED23_IR940_15.2 | length 8.2
  Top Layer w0.2: LED22_IR940_15.1@82.057,216.62 82.591,217.154 89.264,217.154 LED23_IR940_15.2@89.798,216.62
NetLED22_IR940_20_1: LED22_IR940_20.1 LED23_IR940_20.2 | length 8.2
  Top Layer w0.2: LED22_IR940_20.1@82.057,205.879 82.591,206.413 89.264,206.413 LED23_IR940_20.2@89.798,205.879
NetLED22_IR940_21_1: LED22_IR940_21.1 LED23_IR940_21.2 | length 8.2
  Top Layer w0.2: LED22_IR940_21.1@82.057,195.138 82.591,195.672 89.264,195.672 LED23_IR940_21.2@89.798,195.138
NetLED22_IR940_22_1: LED22_IR940_22.1 LED23_IR940_22.2 | length 8.2
  Top Layer w0.2: LED22_IR940_22.1@82.057,184.397 82.591,184.931 89.264,184.931 LED23_IR940_22.2@89.798,184.397
NetLED22_IR940_23_1: LED22_IR940_23.1 LED23_IR940_23.2 | length 8.2
  Top Layer w0.2: LED22_IR940_23.1@82.057,173.656 82.591,174.19 89.264,174.19 LED23_IR940_23.2@89.798,173.656
NetLED22_IR940_24_1: LED22_IR940_24.1 LED23_IR940_24.2 | length 8.2
  Top Layer w0.2: LED22_IR940_24.1@82.057,162.915 82.591,163.449 89.264,163.449 LED23_IR940_24.2@89.798,162.915
NetLED22_IR940_25_1: LED22_IR940_25.1 LED23_IR940_25.2 | length 8.2
  Top Layer w0.2: LED22_IR940_25.1@82.057,152.174 82.591,152.708 89.264,152.708 LED23_IR940_25.2@89.798,152.174